# Altium PCB VCOCXO Breakout.PcbDoc
Units mm, origin at the board's own origin, x right, y up, seen from the top; angles counter-clockwise.
Board outline 100 x 100 mm, 4 copper layers (Top Layer, 1 GND, 2 GND, Bottom Layer), stack 1.592 mm thick; 57 components, 35 nets, 210 pads, 1269 vias.
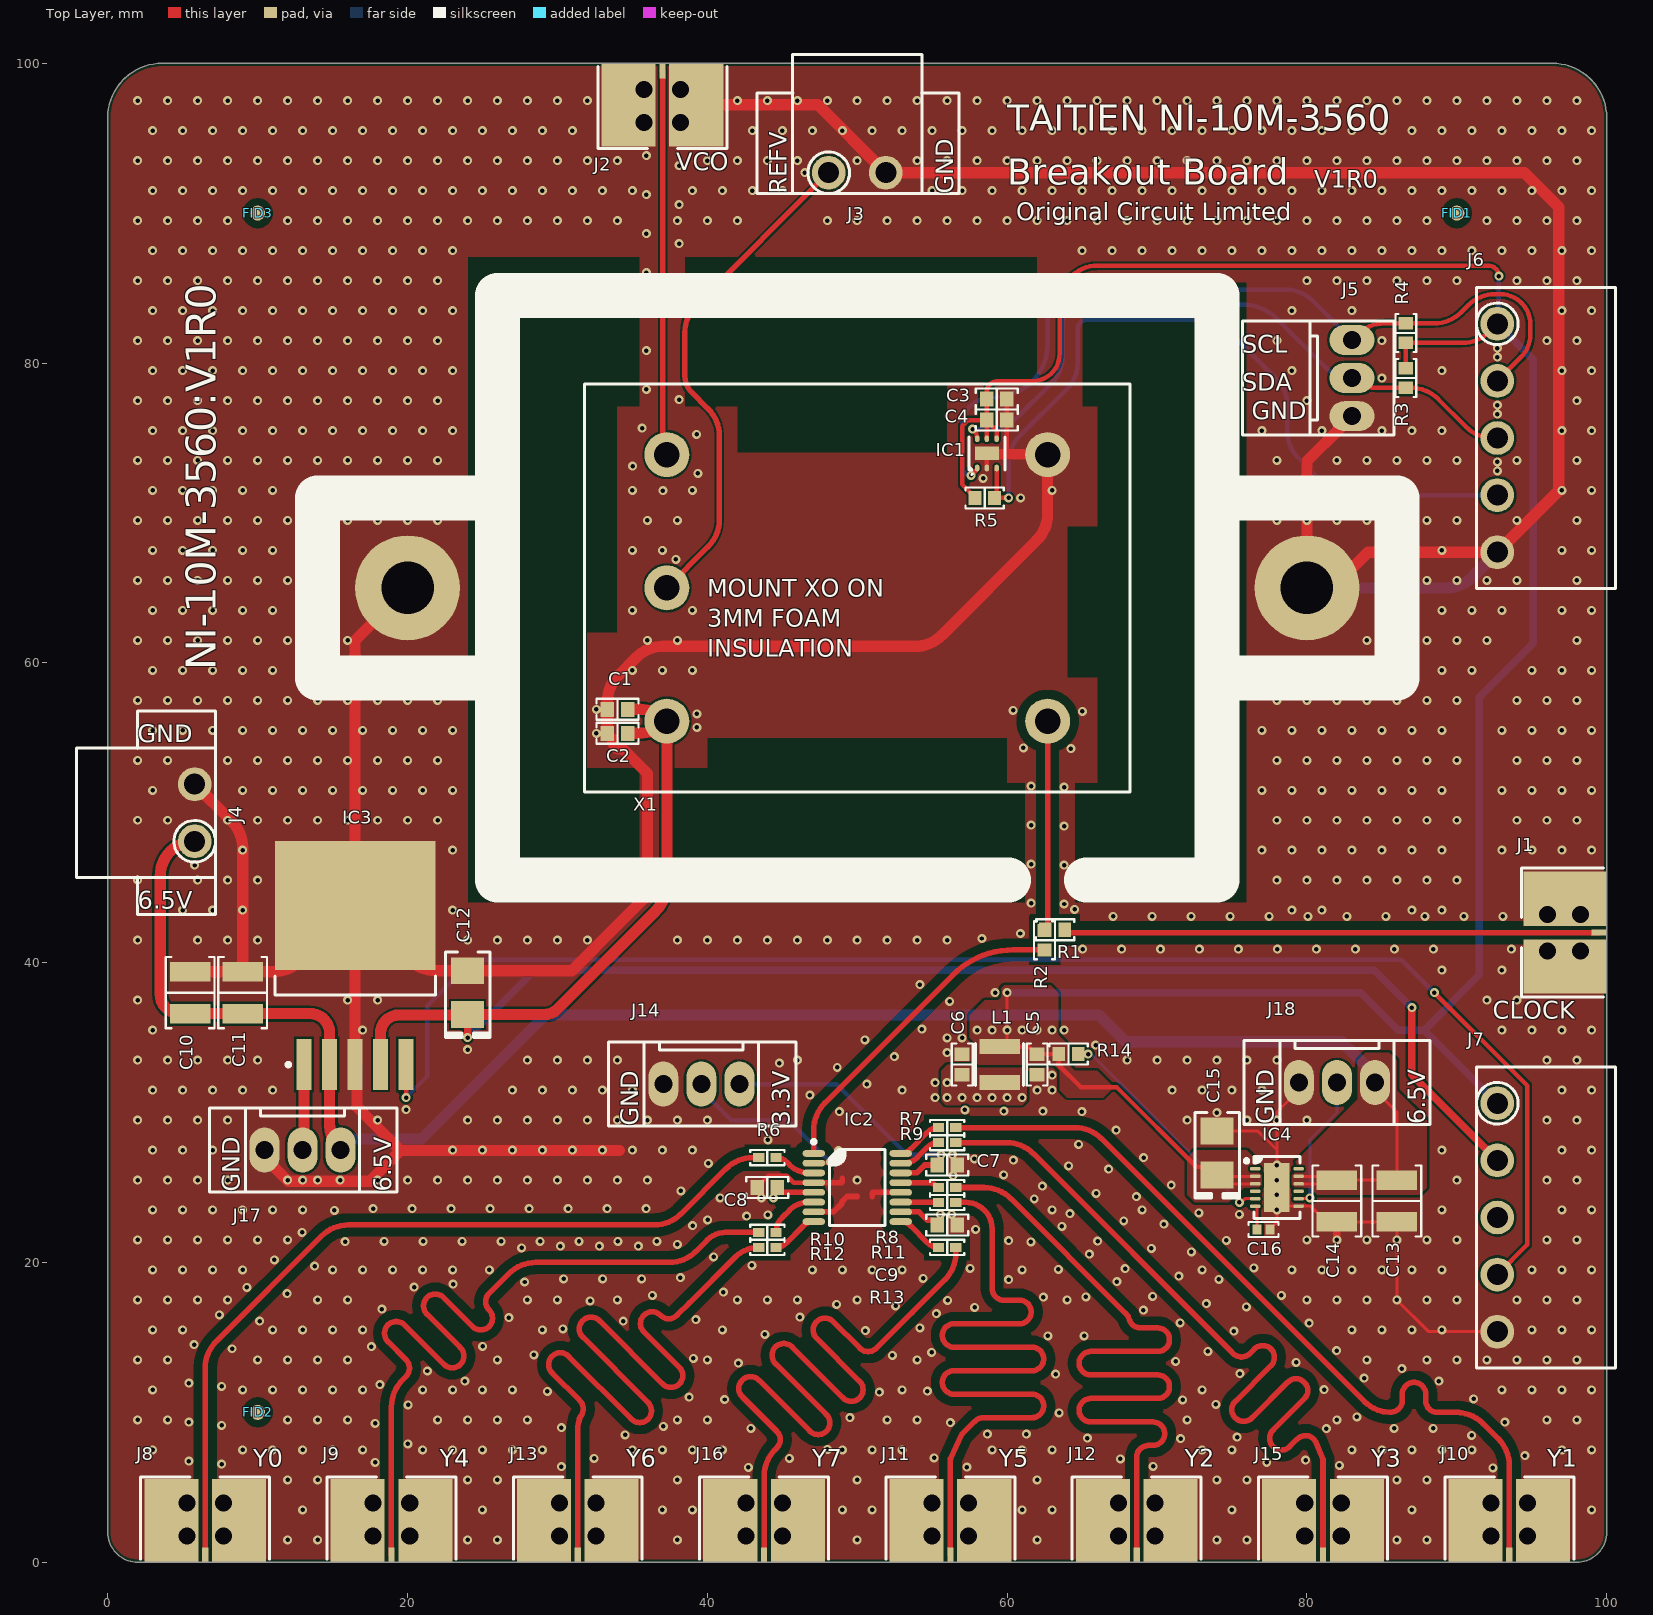
[diagram p0: Top Layer view]
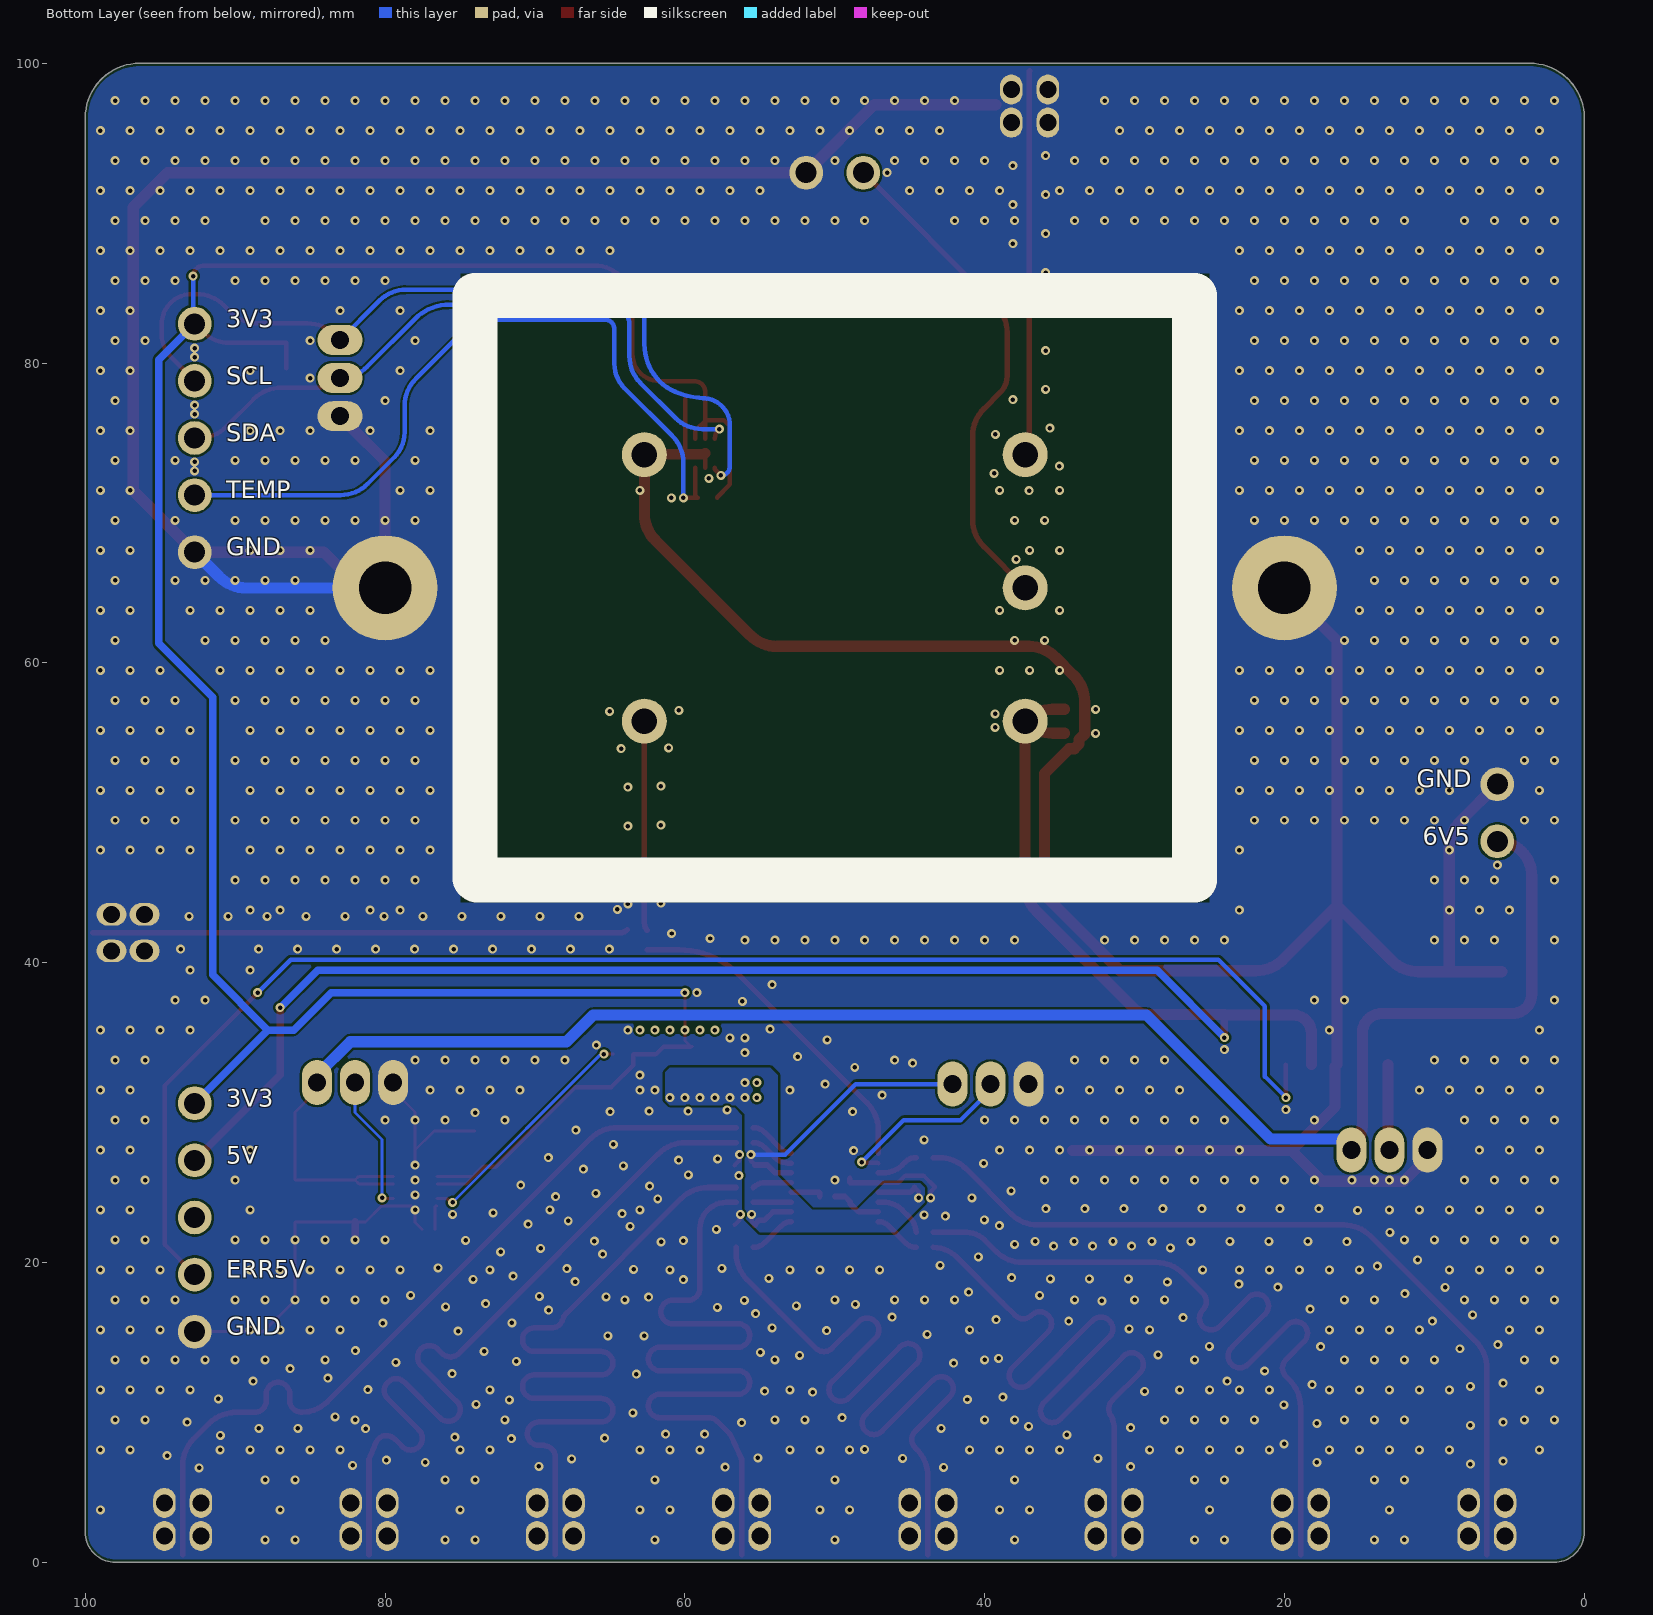
[diagram p1: Bottom Layer view, seen from below]
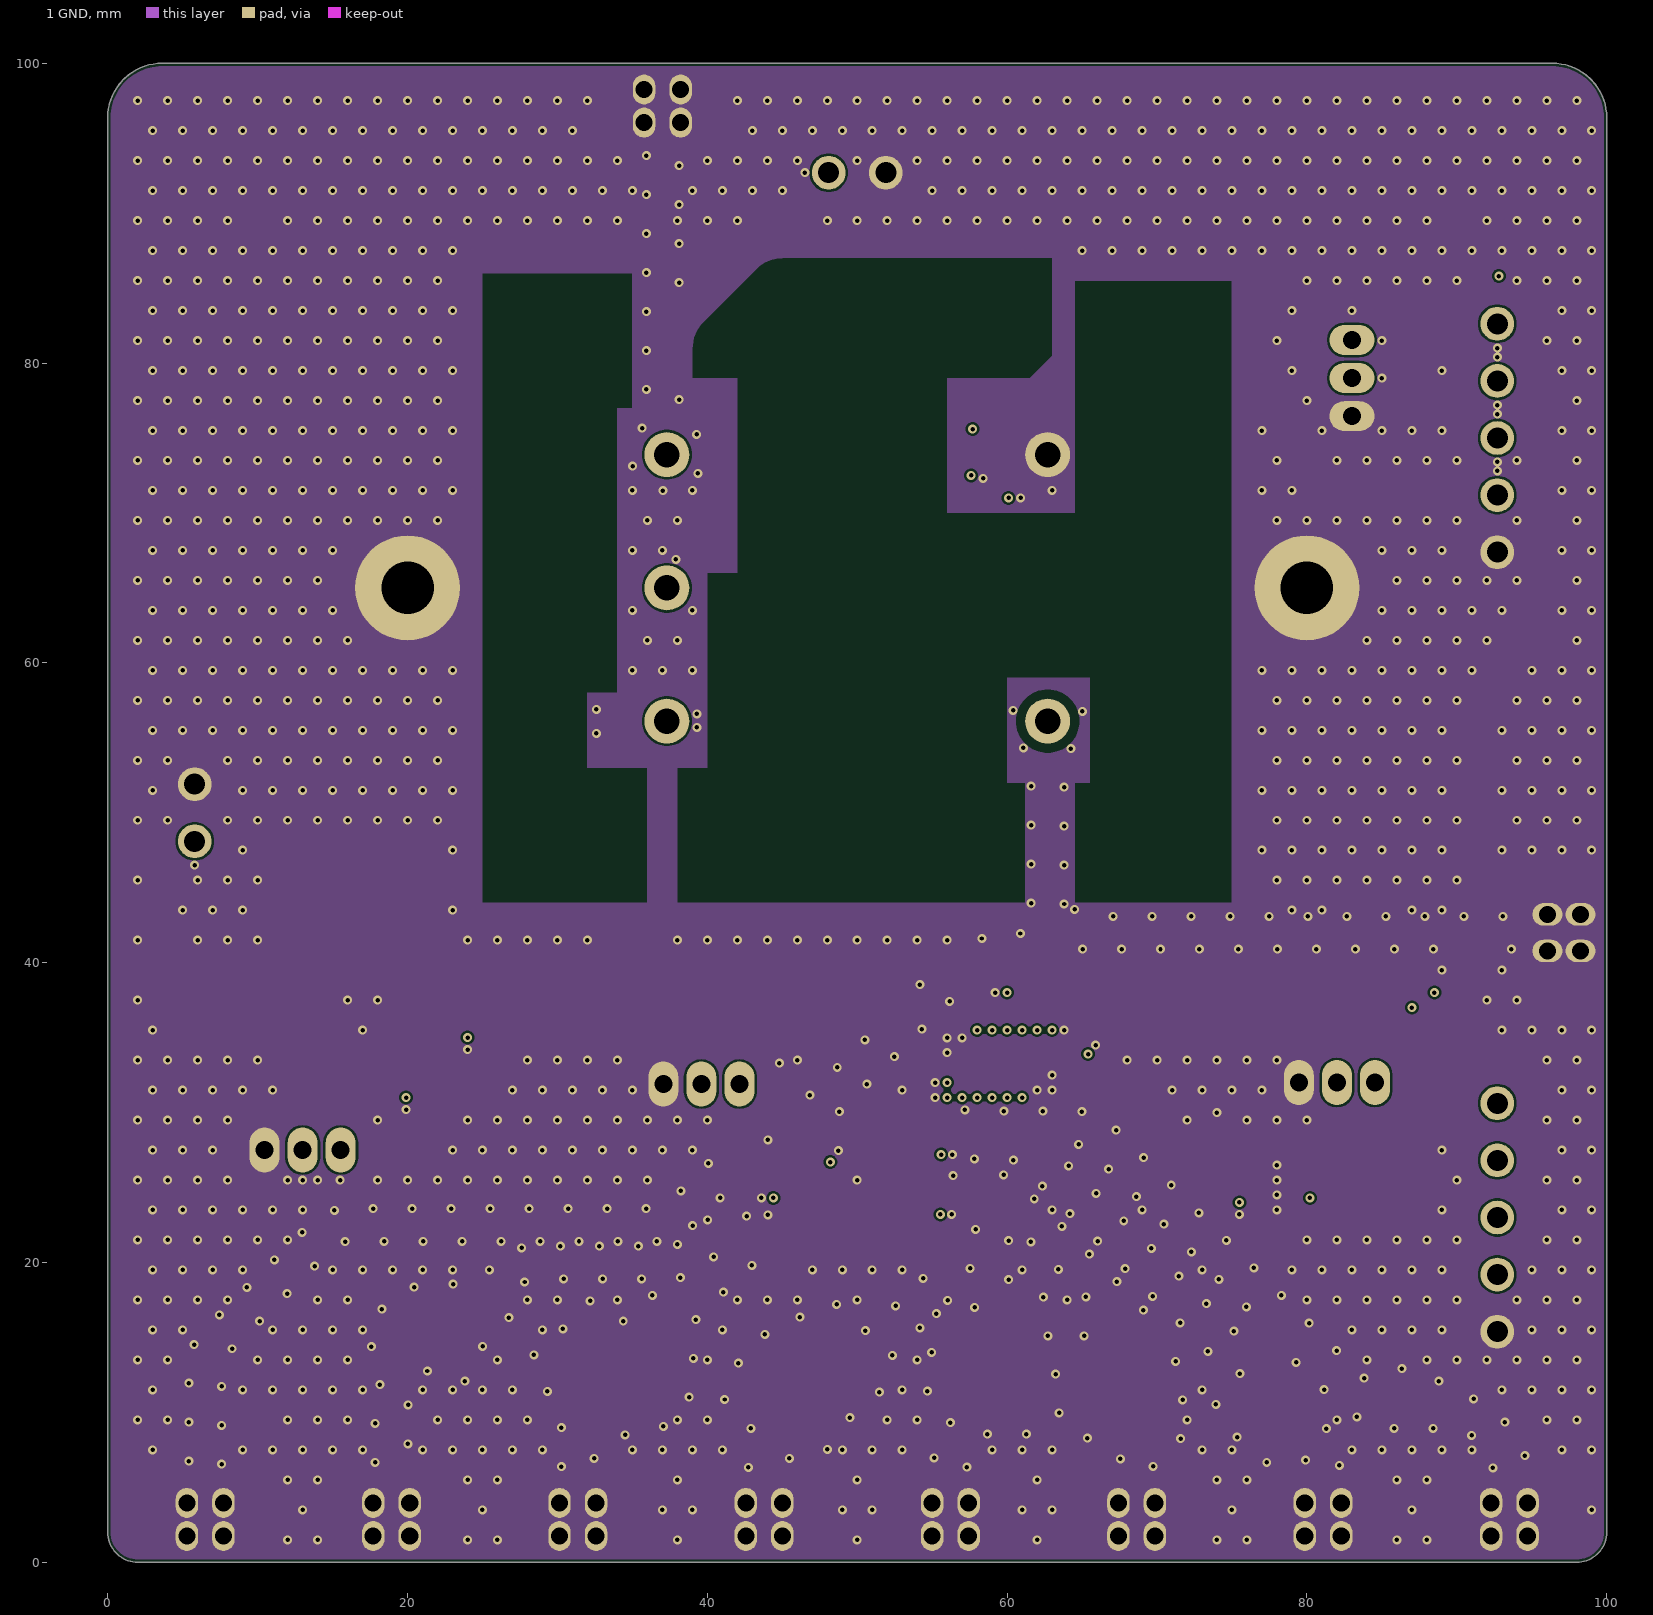
[diagram p2: 1 GND]
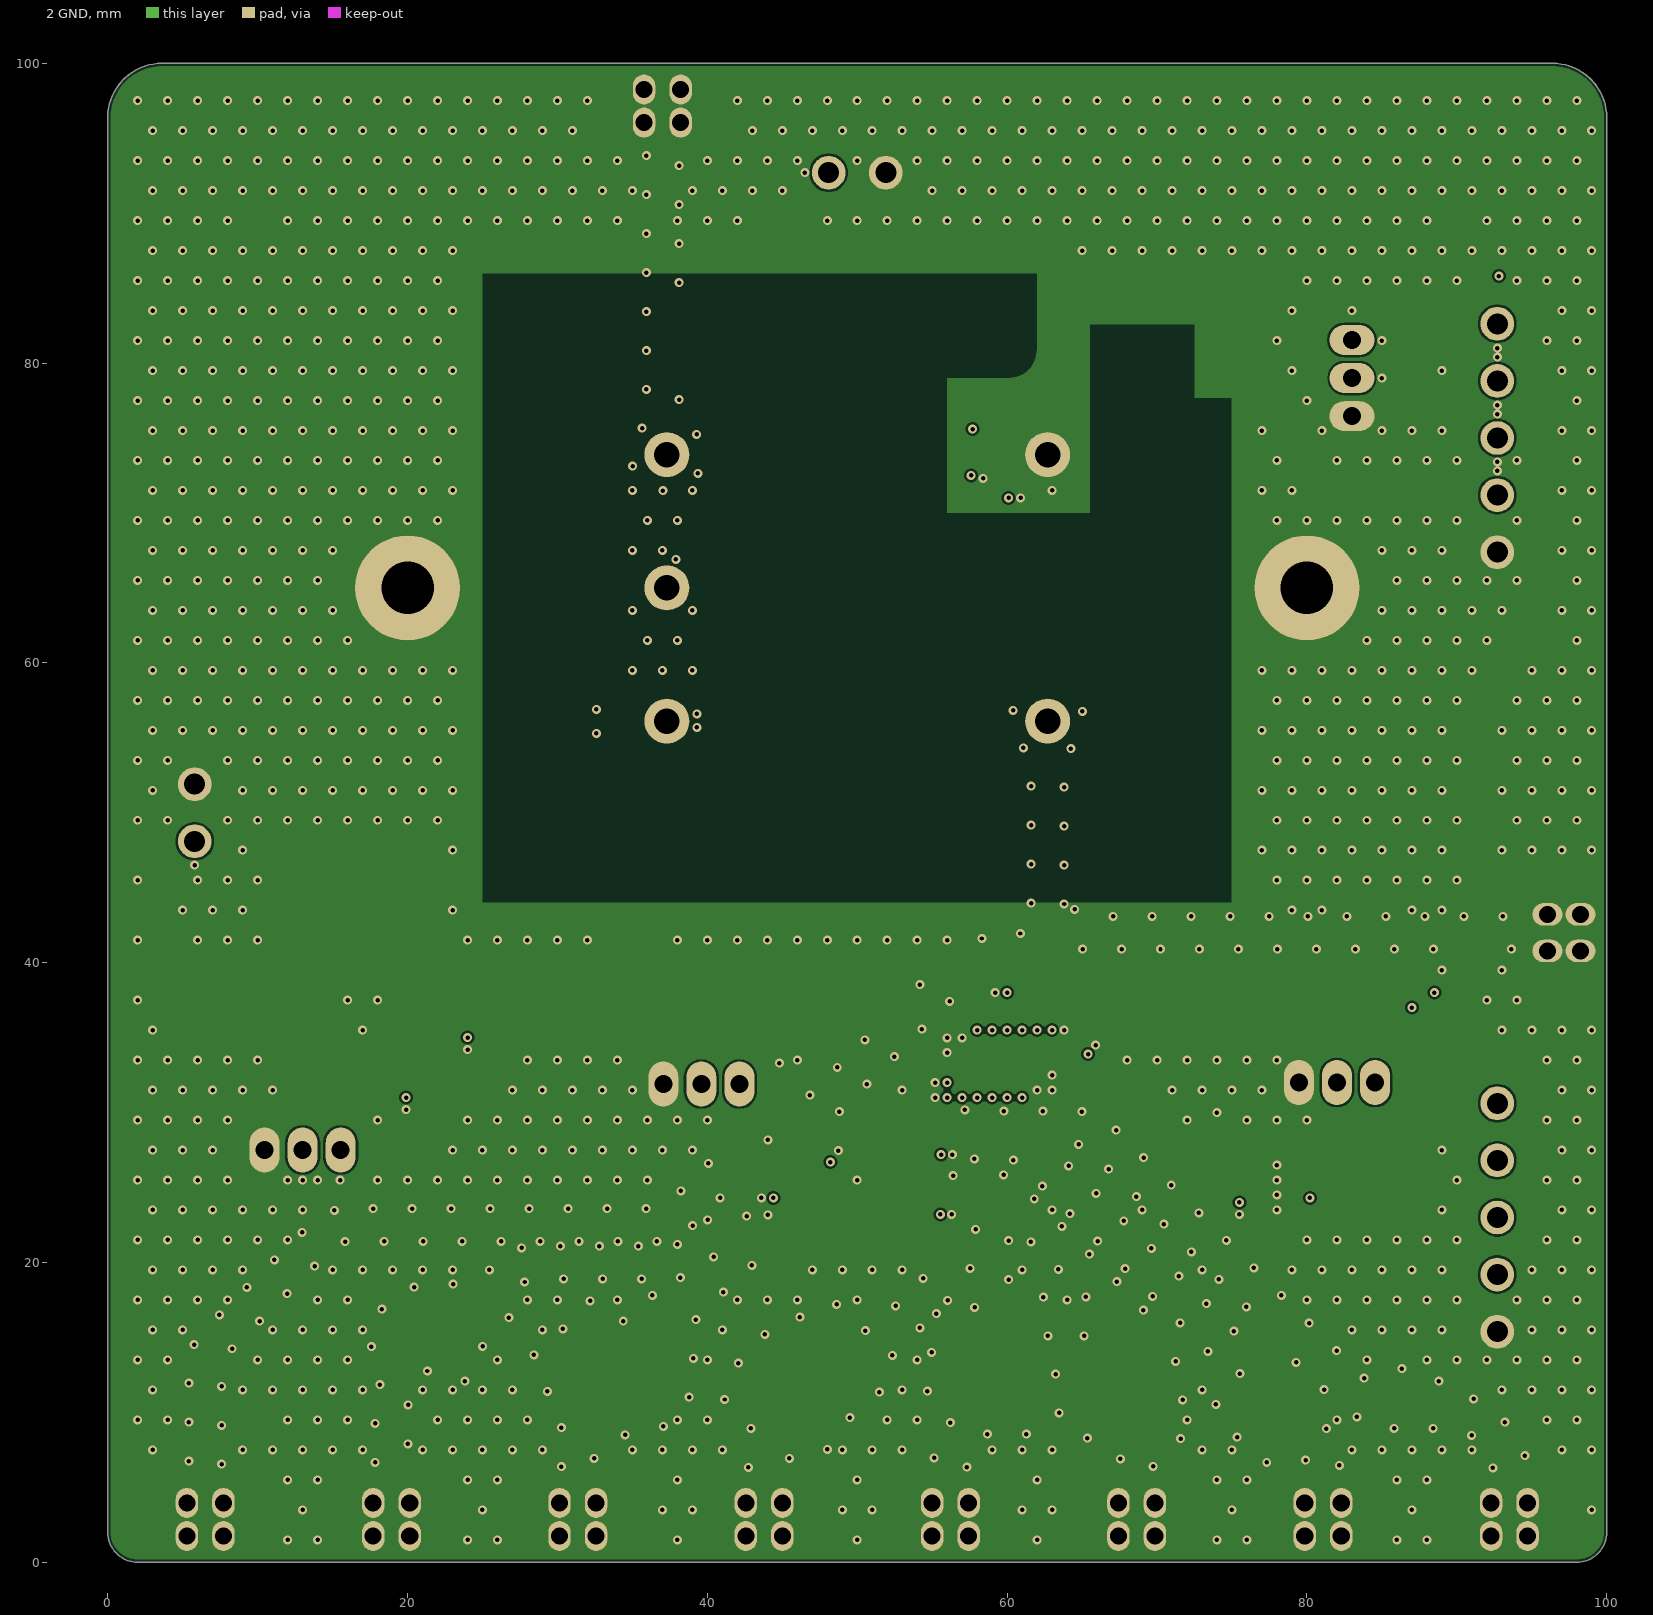
[diagram p3: 2 GND]
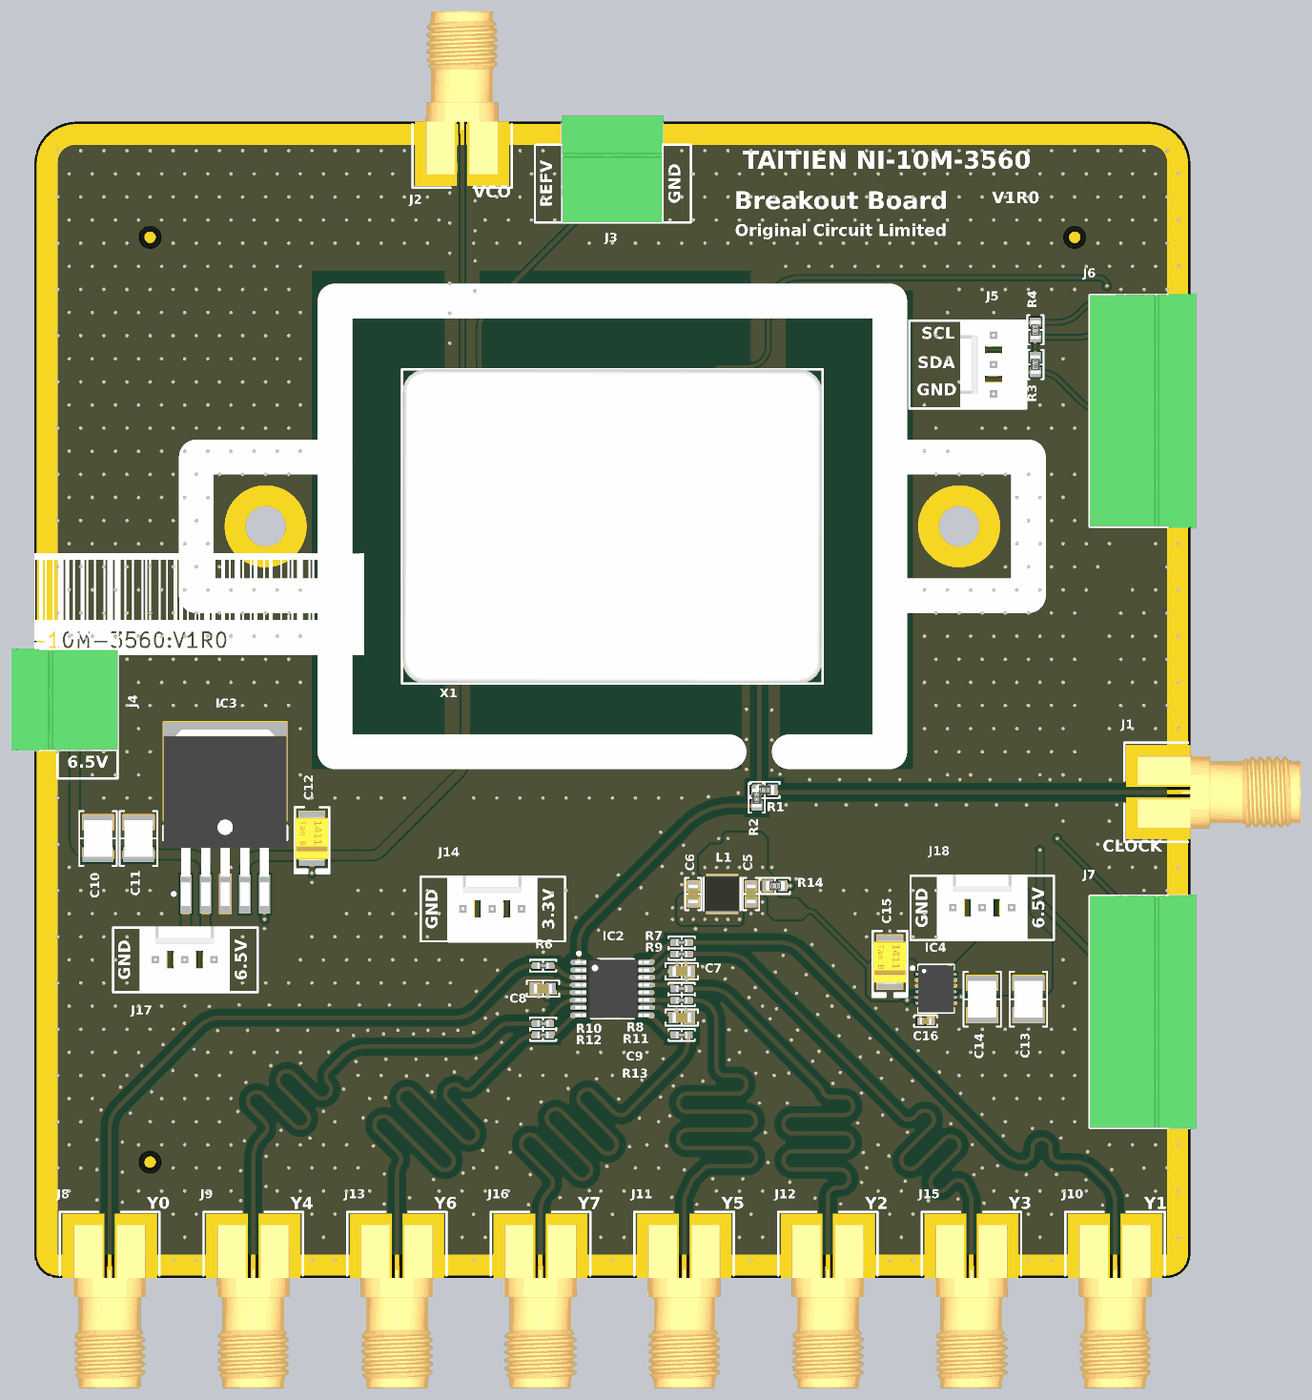
[diagram p4: 3D render of the assembled board from above, using the file's embedded part models]

## Layer stack, top to bottom
Top Solder: solder mask 0.0102, Solder Resist, Dk 3.8
Top Layer: signal copper 0.0356
Dielectric 2: prepreg 0.2104, PP-006, Dk 4.4
1 GND: signal copper 0.0175
Dielectric 1: dielectric 1.065, FR-4, Dk 4.6
2 GND: signal copper 0.0175
Dielectric 3: prepreg 0.2104, PP-006, Dk 4.4
Bottom Layer: signal copper 0.0356
Bottom Solder: solder mask 0.0102, Solder Resist, Dk 3.8

## Board outline
0,2 0,96.368 cw(c3.632,96.368) 3.632,100 96.368,100 cw(c96.368,96.368) 100,96.368 100,2 cw(c98,2) 98,0 2,0 cw(c2,2)

## Design rules (kind name [scope] priority, off if disabled: settings)
BoardOutlineClearance [IsPolygon] p1: gap=0.2 ignorepadtopadclearanceinfootprint=FALSE
Clearance Clearance_50 [InNetClass('50R') OR InNetClass('FANOUT') vs InNet('GND') AND InPoly] p1: gap=0.6 ignorepadtopadclearanceinfootprint=FALSE
Clearance [All] p2: gap=0.15 ignorepadtopadclearanceinfootprint=FALSE except(0.09: Text-Text Text-Hole; 0.2: Arc-THPad Track-THPad SMDPad-THPad; 0.5: THPad-THPad)
ComponentClearance ComponentClearance_R1R2 [InComponent('R1') vs InComponent('R2')] p1: gap=-2 collisioncheckmode=3 verticalgap=-2 showdistances=FALSE
ComponentClearance [All] p2: gap=0.254 collisioncheckmode=3 verticalgap=0.254 showdistances=TRUE
HoleSize [All] p1: absolutevalues=TRUE maxlimit=5 minlimit=0.025 maxpercent=80.000 minpercent=20.000
MatchedLengths [InNetClass('FANOUT')] p1: tolerance=1 checknetsindiffpair=FALSE checkdiffpairvsdiffpair=TRUE checkxsignals=TRUE checkothers=TRUE usedelayunits=TRUE delaytolerance=2.000000
MinimumSolderMaskSliver [All] p1: minsoldermaskwidth=0.1
PlaneClearance [All] p1: clearance=0.2
PolygonConnect [All] p1: connectstyle=Direct reliefconductorwidth=0.254 reliefentries=4 polygonreliefangle="90 Angle" airgapwidth=0.254
RoutingVias [All] p1: holewidth=0.3 width=0.6 viastyle="Through Hole" minholewidth=0.15 minwidth=0.45 maxholewidth=6.3 maxwidth=6.6
SilkToSilkClearance [All] p1: silktosilkclearance=-3
SilkToSolderMaskClearance [IsPad] p1: minsilkscreentomaskgap=-3 clearancetoexposedcopper=TRUE
SolderMaskExpansion SolderMaskExpansion_Via [IsVia] p1: expansion=0.102 istentingtop=TRUE
SolderMaskExpansion [All] p2: expansion=0.05 istentingtop=FALSE
Width Width_50 [InNetClass('50R')   OR InNetClass('FANOUT')] p1: maxlimit=0.367 minlimit=0.254 preferedwidth=0.367 toplayer_minwidth=0.367 bottomlayer_minwidth=0.367 impedanceprofiledriven=TRUE impedanceprofileid={D5511F30-2716-4E79-8042-232B47A3579A} impedanceprofilevalue=50.000000 minimp=50.000000 maximp=50.000000 favimp=50.000000
Width [All] p2: maxlimit=3 minlimit=0.09 preferedwidth=0.2
24 further rules are at their usual default settings.

## Classes and differential pairs
net class FANOUT: CLK_Y0 CLK_Y1 CLK_Y2 CLK_Y3 CLK_Y4 CLK_Y5 CLK_Y6 CLK_Y7
net class 50R: CLK_IN CLK_OUT CLK_SMA Y0 Y1 Y2 Y3 Y4 Y5 Y6 Y7
component class XO: C1 C2 X1
component class TEMP: C3 C4 IC1
component class PSU: C10 C11 C12 C13 C14 C15 C16 IC3 IC4 J17 J18 R14
component class Overview: FID1 FID2 FID3 J1 J2 J3 J4 J5 J6 J7 R1 R2 R3 R4 R5
component class BUFF: C5 C6 C7 C8 C9 IC2 J8 J9 J10 J11 J12 J13 J14 J15 J16 L1 R6 R7 R8 R9 R10 R11 R12 R13

## Components (designator, comment, footprint, x,y, rotation, side; value= is the part's Value field where it differs from the comment)
C1 "1 µF" "CAP 0603_1608" 34,56.9 r0 top
C2 "0.1 µF" "CAP 0603_1608" 34,55.3 r180 top
C3 "1 µF" "CAP 0603_1608" 59.3,77.6 r180 top
C4 "0.1 µF" "CAP 0603_1608" 59.3,76.2 r0 top
C5 "22 µF" "CAP 0603_1608" 62,33.2 r90 top
C6 "1 µF" "CAP 0603_1608" 57,33.2 r270 top
C7 "0.1 µF" "CAP 0603_1608" 56,26.5 r0 top
C8 "0.1 µF" "CAP 0603_1608" 44,25 r180 top
C9 "0.1 µF" "CAP 0603_1608" 56,22.5 r0 top
C10 "22 µF" "CAP 1210_3225 - 1MM" 5.5,38 r270 top
C11 "22 µF" "CAP 1210_3225 - 1MM" 9,38 r270 top
C12 "33µF" "CAP POL 1411_3528" 24,38 r90 top
C13 "22 µF" "CAP 1210_3225 - 1MM" 86,24.1 r90 top
C14 "22 µF" "CAP 1210_3225 - 1MM" 82,24.1 r90 top
C15 "33µF" "CAP POL 1411_3528" 74,27.3 r90 top
C16 "0.068 µF" "CAP 0402_1005" 77.1,22.2 r180 top
FID1 "Fiducial" Fiducial-1mm 90,90 r90 top
FID2 "Fiducial" Fiducial-1mm 10,10 r90 top
FID3 "Fiducial" Fiducial-1mm 10,90 r90 top
IC1 "TMP117MAIDRVR" "TI WSON-6 DRV0006D 2x2MM" 58.65,73.975 r90 top
IC2 "LMK1C1108PWR" "TI TSSOP-16 PW0016A" 50,25 r0 top
IC3 "LP3873ESX-5.0/NOPB" "TI DDPAK-5 KTT R-PSFM-G5" 16.5,39.5 r90 top
IC4 "LT1763IDE-3.3#TRPBF" "ANALOG DFN-12 DE UE 05-08-1695 Rev D" 78,25 r0 top
J1 "901-10510-2" "AMPHENOL 901-10510-2" 100,42 r0 top
J2 "901-10510-2" "AMPHENOL 901-10510-2" 37,100 r90 top
J3 "OQ0232510000G" "FCI 06-381-2PIN" 50,96 r0 top
J4 "OQ0232510000G" "FCI 06-381-2PIN" 2.5,50 r90 top
J5 "0022272031" "MOLEX KK 0022272031" 83,79 r270 top
J6 "OQ0532510000G" "FCI 06-381-5PIN" 96,75 r270 top
J7 "OQ0532510000G" "FCI 06-381-5PIN" 96,23 r270 top
J8 "901-10510-2" "AMPHENOL 901-10510-2" 6.5,0 r270 top
J9 "901-10510-2" "AMPHENOL 901-10510-2" 18.929,0 r270 top
J10 "901-10510-2" "AMPHENOL 901-10510-2" 93.5,0 r270 top
J11 "901-10510-2" "AMPHENOL 901-10510-2" 56.214,0 r270 top
J12 "901-10510-2" "AMPHENOL 901-10510-2" 68.643,0 r270 top
J13 "901-10510-2" "AMPHENOL 901-10510-2" 31.357,0 r270 top
J14 "0022272031" "MOLEX KK 0022272031" 39.6,31.9 r180 top
J15 "901-10510-2" "AMPHENOL 901-10510-2" 81.071,0 r270 top
J16 "901-10510-2" "AMPHENOL 901-10510-2" 43.786,0 r270 top
J17 "0022272031" "MOLEX KK 0022272031" 13,27.5 r180 top
J18 "0022272031" "MOLEX KK 0022272031" 82,32 r180 top
L1 "4.7 µH" "WURTH WE-LQS 3015" 59.5,33.2 r270 top
R1 "0 Ohms" "RES 0603_1608" 63.2,42.2 r0 top
R2 "0 Ohms" "RES 0603_1608" 62.5,41.5 r90 top
R3 "4.7 kOhms" "RES 0603_1608" 86.6,79 r270 top
R4 "4.7 kOhms" "RES 0603_1608" 86.6,82 r90 top
R5 "4.7 kOhms" "RES 0603_1608" 58.5,71 r0 top
R6 "49.9 Ohms" "RES 0402_1005" 44,27 r180 top
R7 "49.9 Ohms" "RES 0402_1005" 56,29 r0 top
R8 "49.9 Ohms" "RES 0402_1005" 56,25 r0 top
R9 "49.9 Ohms" "RES 0402_1005" 56,28 r0 top
R10 "49.9 Ohms" "RES 0402_1005" 44,22 r180 top
R11 "49.9 Ohms" "RES 0402_1005" 56,24 r0 top
R12 "49.9 Ohms" "RES 0402_1005" 44,21 r180 top
R13 "49.9 Ohms" "RES 0402_1005" 56,21 r0 top
R14 "0 Ohms" "RES 0603_1608" 64.1,33.9 r0 top
X1 "10 MHz" "TAITIEN NI-10M-3560" 50,65 r0 top

## Footprints (in the part's own frame and the unit in brackets; to place one, negate y for a bottom-side part, rotate by r counter-clockwise, add the part's x,y. Pads: shape width x height; smd on the part's side, far side on the other; paste and mask are expansions set on the pad)
"AMPHENOL 901-10510-2" [mm] "High Freq End Launch SMA Jack PC Mount"
  oval 2x1.5 hole 1.14: G(-3.96,-1.22) G(-3.96,1.22) G(-1.75,-1.22) G(-1.75,1.22)
  rect 5.54x3.61 smd paste-2539.97 mask+0: G(-2.77,-2.26) G(-2.77,2.26)
  rect 1x0.41 smd paste-2539.97 mask+0: S(-0.5,0)
  silkscreen extent -5.7,-4.3 -0.2,4.3, body extent -4.55,-3.14 9.53,3.14, height 3.22
"ANALOG DFN-12 DE UE 05-08-1695 Rev D" [mm] "DFN, 12-Leads, Body 3.00x4.00mm, Pitch 0.50mm, Thermal Pad 1.70x3.30mm, IPC Medium Density"
  oval 0.7x0.25 smd: 1(-1.45,1.25) 2(-1.45,0.75) 3(-1.45,0.25) 4(-1.45,-0.25) 5(-1.45,-0.75) 6(-1.45,-1.25) 7(1.45,-1.25) 8(1.45,-0.75) 9(1.45,-0.25) 10(1.45,0.25) 11(1.45,0.75) 12(1.45,1.25)
  rect 1.7x3.3 smd: 13(0,0)
  silkscreen extent -2.16,-2.07 1.52,2.07, body extent -1.55,-2.05 1.55,2.05, height 0.8
"CAP 0402_1005" [mm] "Chip Capacitor, 2-Leads, Body 1.02x0.51mm, IPC Medium Density"
  rect 0.6x0.64 smd: 1(-0.44,0) 2(0.44,0)
  silkscreen extent -1,-0.5 1,0.5, body extent -0.5,-0.26 0.5,0.26, height 0.52
"CAP 0603_1608" [mm] "Chip Capacitor, 2-Leads, Body 1.60x0.80mm, IPC Medium Density"
  rect 0.9x1 smd: 1(-0.675,0) 2(0.675,0)
  silkscreen extent -1.4,-0.7 1.4,0.7, body extent -0.8,-0.41 0.8,0.41, height 0.82
"CAP 1210_3225 - 1MM" [mm] "Chip Capacitor, 2-Leads, Body 3.20x2.50mm, IPC Medium Density"
  rect 1.3x2.7 smd: 1(-1.4,0) 2(1.4,0)
  silkscreen extent -2.37,-1.63 2.37,1.63, body extent -1.6,-1.25 1.6,1.25, height 1
"CAP POL 1411_3528" [mm] "Molded Capacitor, 2-Leads, Body 3.50x2.80mm, IPC Medium Density"
  rect 1.8x2.23 smd: 1(-1.46,0) 2(1.46,0)
  silkscreen extent -3,-1.5 2.71,1.48, body extent -1.87,-1.45 1.86,1.45, height 2
"FCI 06-381-2PIN" [mm] "FCI Pluggable Terminal Block"
  round 2.25 hole 1.4: 1(-1.905,-3.302) 2(1.905,-3.302)
  silkscreen extent -4.32,-4.7 4.32,4.57, body extent -4.4,-4.7 4.4,4.5, height 7.6
"FCI 06-381-5PIN" [mm] "FCI Pluggable Terminal Block"
  round 2.25 hole 1.4: 1(-7.62,-3.302) 2(-3.81,-3.302) 3(0,-3.302) 4(3.81,-3.302) 5(7.62,-3.302)
  silkscreen extent -10.03,-4.7 10.03,4.57, body extent -10.12,-4.7 10.12,4.5, height 7.6
Fiducial-1mm [mm]
  round 1 smd paste-1 mask+0.5: F(0,0)
  Top Layer pour cut-out: -1,0 -0.924,0.383 -0.707,0.707 -0.383,0.924 0,1 0,1 0.383,0.924 0.707,0.707 0.924,0.383 1,0 1,0 0.924,-0.383 0.707,-0.707 0.383,-0.924 0,-1 0,-1 -0.383,-0.924 -0.707,-0.707 -0.924,-0.383 -1,0
"MOLEX KK 0022272031" [mm]
  oval 2x3 hole 1.2: 1(-2.54,0) 2(0,0) 3(2.54,0)
  silkscreen extent -3.81,-2.79 3.81,2.79, body extent -3.81,-2.9 3.81,2.9, height 11.7
"RES 0402_1005" [mm] "Chip Resistor, 2-Leads, Body 1.0x0.5mm, IPC Medium Density"
  rect 0.75x0.6 smd: 1(-0.575,0) 2(0.575,0)
  silkscreen extent -1.14,-0.51 1.14,0.51, body extent -0.5,-0.25 0.5,0.25, height 0.35
"RES 0603_1608" [mm] "Chip Resistor, 2-Leads, Body 1.60x0.80mm, IPC Medium Density"
  rect 0.85x0.95 smd: 1(-0.65,0) 2(0.65,0)
  silkscreen extent -1.27,-0.7 1.27,0.7, body extent -0.8,-0.4 0.8,0.4, height 0.45
"TAITIEN NI-10M-3560" [mm] "Double Oven Controlled Crystal Oscillator"
  round 3 hole 1.7 paste-2539.97: 1(-12.7,8.89) 2(-12.7,0) 3(-12.7,-8.89) 4(12.7,-8.89) 5(12.7,8.89)
  silkscreen extent -18.2,-13.6 18.2,13.6, body extent -18.16,-13.59 18.16,13.59, height 18.82
"TI DDPAK-5 KTT R-PSFM-G5" [mm] "TO-263-6, D2PAK (5 Leads + Tab), TO-263BA"
  rect 3.4x1 smd: 1(-6.3,3.4) 2(-6.3,1.7) 3(-6.3,0) 4(-6.3,-1.7) 5(-6.3,-3.4)
  rect 8.6x10.7 smd: 6(4.3,0)
  silkscreen extent -6.42,-5.35 -0.4,5.35, body extent -7.32,-5.33 7.92,5.33, height 4.83
"TI TSSOP-16 PW0016A" [mm] "TSSOP, 16-Leads, Body 5.00x4.40mm, Pitch 0.65mm, IPC Medium Density"
  oval 1.5x0.45 smd: 1(-2.9,2.275) 2(-2.9,1.625) 3(-2.9,0.975) 4(-2.9,0.325) 5(-2.9,-0.325) 6(-2.9,-0.975) 7(-2.9,-1.625) 8(-2.9,-2.275) 9(2.9,-2.275) 10(2.9,-1.625) 11(2.9,-0.975) 12(2.9,-0.325) 13(2.9,0.325) 14(2.9,0.975) 15(2.9,1.625) 16(2.9,2.275)
  silkscreen extent -3.02,-2.55 1.85,3.17, body extent -3.2,-2.55 3.2,2.55, height 1.2
"TI WSON-6 DRV0006D 2x2MM" [mm] "SON, 6-Leads, Body 2.00x2.00mm, Pitch 0.65mm, Thermal Pad 1.60x0.89mm, IPC Medium Density"
  oval 0.45x0.3 smd: 1(-0.975,0.65) 2(-0.975,0) 3(-0.975,-0.65) 4(0.975,-0.65) 5(0.975,0) 6(0.975,0.65)
  rect 0.89x1.6 smd: 7(0,0)
  silkscreen extent -1.45,-1.2 1.1,1.2, body extent -1.05,-1.05 1.05,1.05, height 0.8
"WURTH WE-LQS 3015" [mm] "SMD Power Inductor, 2-Leads, body 3x3mm"
  rect 1x2.7 smd: 1(-1.2,0) 2(1.2,0)
  silkscreen extent -1.4,-1.6 1.4,1.6, body extent -1.5,-1.5 1.5,1.5, height 1.5
